# Altium PCB miniBackplane.PcbDoc (part 23 of 24) (continued)
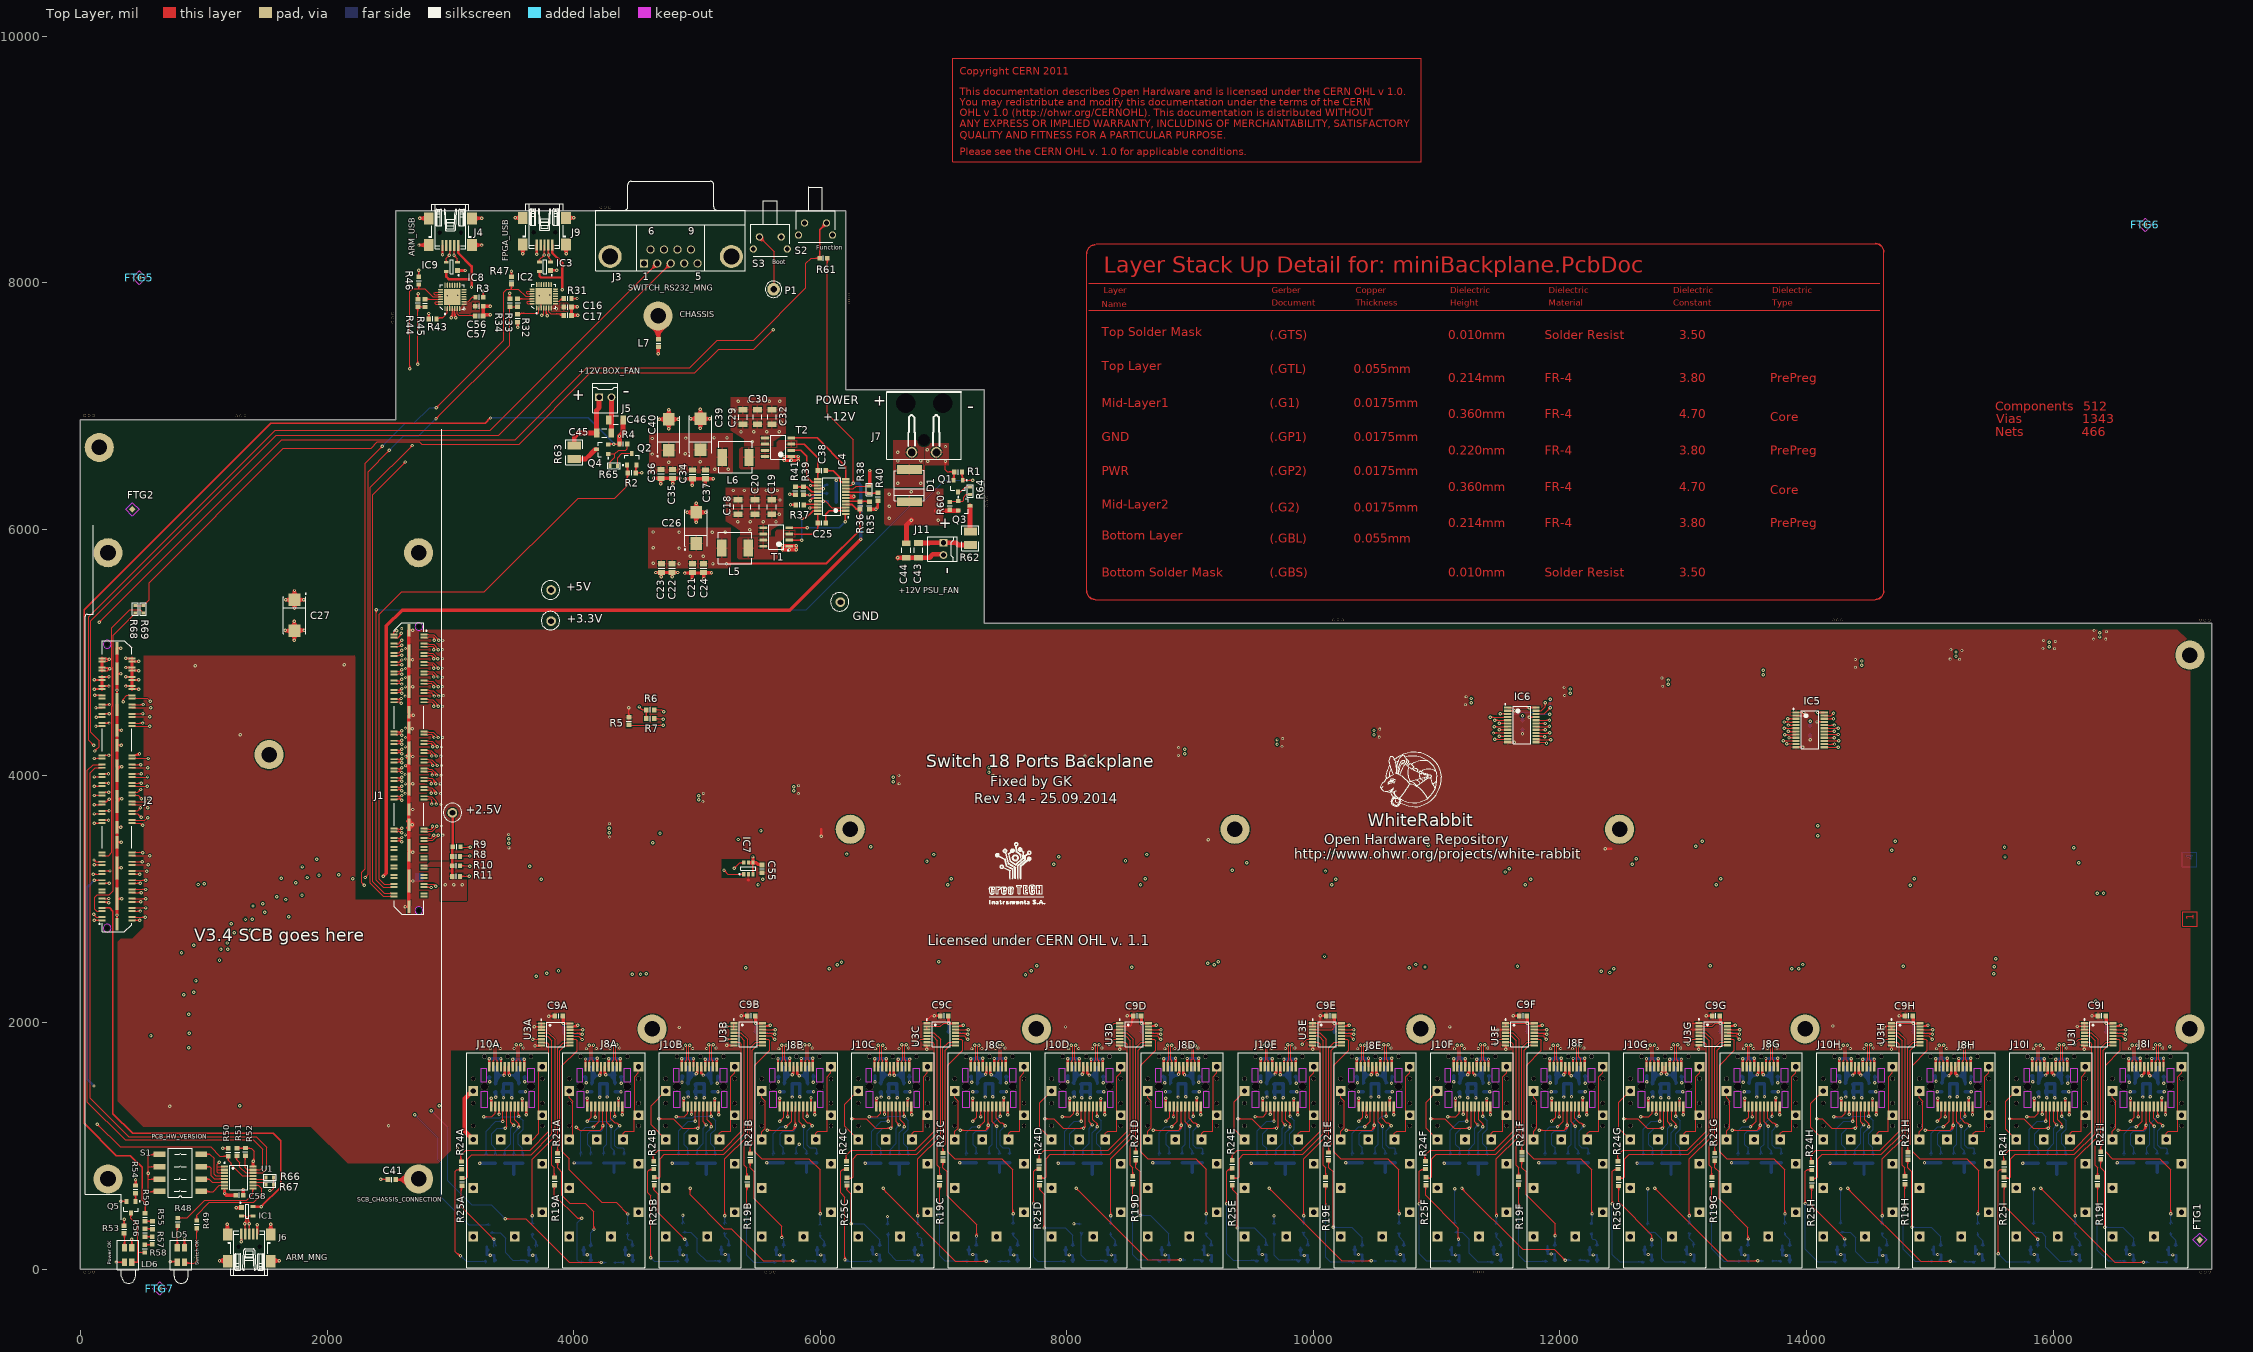
[diagram p0: Top Layer view]
## Nets (pads, with @x,y where several pads share a name; then routed paths per layer and width w, separated by ;. In a path a pad name is that pad's centre, name@x,y a point inside that pad or via, vN(x,y) a via of type N, cw(c..) or ccw(c..) an arc to the next point about the centre after c; other vN are vias at no path point) (continued)
  Top Layer w7.87: U3G.11@13356.83,1865.24 13404.08,1865.24 13415.69,1853.62 13415.69,1773.62 13295.69,1653.62 13295.69,951.61 13351.75,895.56 13733.76,895.56 13822.83,806.48 13822.83,455.93 v1@13830.69,448.07 ; U3G.11@13383.38,1870.61 ccw(c13396.36,1883.6) 13396.36,1865.24 cw(c13396.36,1883.6) U3G.11@13383.38,1870.61 ; v1@13818.73,455.03 ccw(c13808.83,464.93) 13822.83,464.93 cw(c13808.83,464.93) v1@13818.73,455.03 ; 13822.83,478.73 ccw(c13856.35,478.73) 13832.65,455.03 cw(c13856.35,478.73) 13822.83,478.73
  Bottom Layer w7.87: R18G.1@13825.69,359.57 v1(13825.69,448.07) v1@13830.69,453.07 ; 13825.69,424.31 ccw(c13801.93,424.31) 13818.73,441.11 cw(c13801.93,424.31) 13825.69,424.31 ; 13825.69,424.31 cw(c13849.45,424.31) 13832.65,441.11 ccw(c13849.45,424.31) 13825.69,424.31 ; R18G.1@13815.04,371.96 ccw(c13789.31,397.68) 13825.69,397.68 cw(c13789.31,397.68) R18G.1@13815.04,371.96 ; 13825.69,393.27 ccw(c13855.84,393.27) 13834.52,371.96 cw(c13855.84,393.27) 13825.69,393.27
WR_LINK1_LED_LINKH: R18H.1 U3H.11 | length 2374
  Top Layer w7.87: U3H.11@14921.83,1865.24 14969.08,1865.24 14980.69,1853.62 14980.69,1773.62 14860.69,1653.62 14860.69,951.61 14916.75,895.56 15298.76,895.56 15395.69,798.62 v1@15395.69,448.82 ; 14953.4,1865.24 ccw(c14953.4,1853.36) 14945,1861.76 cw(c14953.4,1853.36) 14953.4,1865.24 ; 14953.4,1865.24 cw(c14953.4,1877.12) 14945,1868.72 ccw(c14953.4,1877.12) 14953.4,1865.24 ; v1@15383.73,455.03 ccw(c15354.86,483.9) 15395.69,483.9 cw(c15354.86,483.9) v1@15383.73,455.03 ; v1@15389.3,449.46 ccw(c15373.87,464.89) 15395.69,464.89 cw(c15373.87,464.89) v1@15389.3,449.46
  Bottom Layer w7.87: R18H.1@15390.69,359.57 v1(15390.69,448.07) v1@15395.69,453.07 ; 15390.69,424.31 ccw(c15366.93,424.31) 15383.73,441.11 cw(c15366.93,424.31) 15390.69,424.31 ; 15390.69,424.31 cw(c15414.45,424.31) 15397.65,441.11 ccw(c15414.45,424.31) 15390.69,424.31 ; R18H.1@15380,368.02 ccw(c15354.17,393.84) 15390.69,393.84 cw(c15354.17,393.84) R18H.1@15380,368.02 ; 15390.69,389.24 ccw(c15420.71,389.24) 15399.48,368.02 cw(c15420.71,389.24) 15390.69,389.24
WR_LINK1_LED_LINKI: R18I.1 U3I.11 | length 2351
  Top Layer w7.87: U3I.11@16486.83,1865.24 16534.08,1865.24 16545.69,1853.62 16545.69,1773.62 16425.69,1653.62 16425.69,951.61 16481.75,895.56 16863.76,895.56 16952.76,806.56 16952.76,456.01 v1@16960.69,448.07 ; 16518.4,1865.24 ccw(c16518.4,1853.36) 16510,1861.76 cw(c16518.4,1853.36) 16518.4,1865.24 ; 16518.4,1865.24 cw(c16518.4,1877.12) 16510,1868.72 ccw(c16518.4,1877.12) 16518.4,1865.24 ; v1@16948.73,455.03 ccw(c16939.02,464.74) 16952.76,464.74 cw(c16939.02,464.74) v1@16948.73,455.03 ; 16952.76,478.92 ccw(c16986.54,478.92) 16962.65,455.03 cw(c16986.54,478.92) 16952.76,478.92
  Bottom Layer w7.87: R18I.1@16955.69,359.57 v1(16955.69,448.07) v1@16960.69,453.07 ; 16955.69,424.31 ccw(c16931.93,424.31) 16948.73,441.11 cw(c16931.93,424.31) 16955.69,424.31 ; 16955.69,424.31 cw(c16979.45,424.31) 16962.65,441.11 ccw(c16979.45,424.31) 16955.69,424.31 ; R18I.1@16946.02,371.96 ccw(c16922.67,395.31) 16955.69,395.31 cw(c16922.67,395.31) R18I.1@16946.02,371.96 ; 16955.69,395.65 ccw(c16989.2,395.65) 16965.51,371.96 cw(c16989.2,395.65) 16955.69,395.65
WR_LINK1_LED_SYNCEDA: R19A.1 U3A.10 | length 1325.9
  Top Layer w7.87: R19A.1@3844.67,743.46 3844.67,821.96 3824.67,841.96 3824.67,996.96 3869.67,1041.96 3869.67,1791.96 3914.67,1836.96 U3A.10@3959.67,1836.96 ; R19A.1@3834.76,752.18 ccw(c3810.84,776.11) 3844.67,776.11 cw(c3810.84,776.11) R19A.1@3834.76,752.18 ; 3844.67,775.31 ccw(c3877.37,775.31) 3854.25,752.18 cw(c3877.37,775.31) 3844.67,775.31 ; 3936.77,1836.96 ccw(c3936.77,1852.34) 3947.65,1841.46 cw(c3936.77,1852.34) 3936.77,1836.96 ; 3941.72,1836.96 cw(c3941.72,1828.57) 3947.65,1834.5 ccw(c3941.72,1828.57) 3941.72,1836.96
WR_LINK1_LED_SYNCEDB: R19B.1 U3B.10 | length 1357.8
  Top Layer w7.87: R19B.1@5406.13,745.11 5406.13,823.61 5386.13,843.61 5386.13,998.61 5431.13,1043.61 5431.13,1793.61 5476.13,1838.61 U3B.10@5521.13,1838.61 ; R19B.1@5398.15,749.9 ccw(c5378.88,769.17) 5406.13,769.17 cw(c5378.88,769.17) R19B.1@5398.15,749.9 ; 5406.13,758.67 ccw(c5426.4,758.67) 5412.07,744.33 cw(c5426.4,758.67) 5406.13,758.67 ; 5406.13,777.68 ccw(c5445.41,777.68) 5417.63,749.9 cw(c5445.41,777.68) 5406.13,777.68 ; 5498.23,1838.61 ccw(c5498.23,1853.99) 5509.1,1843.12 cw(c5498.23,1853.99) 5498.23,1838.61 ; 5503.17,1838.61 cw(c5503.17,1830.23) 5509.1,1836.16 ccw(c5503.17,1830.23) 5503.17,1838.61
WR_LINK1_LED_SYNCEDC: R19C.1 U3C.10 | length 1325.9
  Top Layer w7.87: R19C.1@6971.13,745.12 6971.13,823.62 6951.13,843.62 6951.13,998.62 6996.13,1043.62 6996.13,1793.62 7041.13,1838.62 U3C.10@7086.13,1838.62 ; R19C.1@6961.14,753.85 ccw(c6937.03,777.96) 6971.13,777.96 cw(c6937.03,777.96) R19C.1@6961.14,753.85 ; 6971.13,776.78 ccw(c7003.56,776.78) 6980.63,753.85 cw(c7003.56,776.78) 6971.13,776.78 ; 7063.23,1838.62 ccw(c7063.23,1854) 7074.1,1843.13 cw(c7063.23,1854) 7063.23,1838.62 ; 7068.17,1838.62 cw(c7068.17,1830.24) 7074.1,1836.17 ccw(c7068.17,1830.24) 7068.17,1838.62
WR_LINK1_LED_SYNCEDD: R19D.1 U3D.10 | length 1325.9
  Top Layer w7.87: R19D.1@8536.13,745.12 8536.13,823.62 8516.13,843.62 8516.13,998.62 8561.13,1043.62 8561.13,1793.62 8606.13,1838.62 U3D.10@8651.13,1838.62 ; R19D.1@8526.1,761.72 ccw(c8501.89,785.93) 8536.13,785.93 cw(c8501.89,785.93) R19D.1@8526.1,761.72 ; 8536.13,784.56 ccw(c8568.42,784.56) 8545.59,761.72 cw(c8568.42,784.56) 8536.13,784.56 ; 8628.23,1838.62 ccw(c8628.23,1854) 8639.1,1843.13 cw(c8628.23,1854) 8628.23,1838.62 ; 8633.17,1838.62 cw(c8633.17,1830.24) 8639.1,1836.17 ccw(c8633.17,1830.24) 8633.17,1838.62
WR_LINK1_LED_SYNCEDE: R19E.1 U3E.10 | length 1325.9
  Top Layer w7.87: R19E.1@10101.13,745.12 10101.13,823.62 10081.13,843.62 10081.13,998.62 10126.13,1043.62 10126.13,1793.62 10171.13,1838.62 U3E.10@10216.13,1838.62 ; R19E.1@10091.06,753.85 ccw(c10066.76,778.15) 10101.13,778.15 cw(c10066.76,778.15) R19E.1@10091.06,753.85 ; 10101.13,776.59 ccw(c10133.29,776.59) 10110.55,753.85 cw(c10133.29,776.59) 10101.13,776.59 ; 10193.23,1838.62 ccw(c10193.23,1854) 10204.1,1843.13 cw(c10193.23,1854) 10193.23,1838.62 ; 10198.17,1838.62 cw(c10198.17,1830.24) 10204.1,1836.17 ccw(c10198.17,1830.24) 10198.17,1838.62
WR_LINK1_LED_SYNCEDF: R19F.1 U3F.10 | length 1325.9
  Top Layer w7.87: R19F.1@11665.69,745.12 11665.69,823.62 11645.69,843.62 11645.69,998.62 11690.69,1043.62 11690.69,1793.62 11735.69,1838.62 U3F.10@11780.69,1838.62 ; R19F.1@11655.59,757.78 ccw(c11631.19,782.18) 11665.69,782.18 cw(c11631.19,782.18) R19F.1@11655.59,757.78 ; 11665.69,780.43 ccw(c11697.72,780.43) 11675.07,757.78 cw(c11697.72,780.43) 11665.69,780.43 ; 11757.8,1838.62 ccw(c11757.8,1854) 11768.67,1843.13 cw(c11757.8,1854) 11757.8,1838.62 ; 11762.74,1838.62 cw(c11762.74,1830.24) 11768.67,1836.17 ccw(c11762.74,1830.24) 11762.74,1838.62
WR_LINK1_LED_SYNCEDG: R19G.1 U3G.10 | length 1330.6
  Top Layer w7.87: R19G.1@13230.69,745.12 13230.69,823.62 13210.69,843.62 13210.69,998.62 13255.69,1043.62 13255.69,1793.62 13300.69,1838.62 U3G.10@13345.69,1838.62 ; 13329.63,1840.74 cw(c13332.09,1836.48) U3G.10@13336.31,1839.01 ; R19G.1@13220.55,753.85 ccw(c13196.06,778.34) 13230.69,778.34 cw(c13196.06,778.34) R19G.1@13220.55,753.85 ; 13230.69,776.4 ccw(c13262.59,776.4) 13240.03,753.85 cw(c13262.59,776.4) 13230.69,776.4 ; 13321.59,1838.62 ccw(c13321.59,1860.48) 13337.05,1845.02 cw(c13321.59,1860.48) 13321.59,1838.62
WR_LINK1_LED_SYNCEDH: R19H.1 U3H.10 | length 1356.5
  Top Layer w7.87: R19H.1@14795.69,745.12 14795.69,823.62 14775.69,843.62 14775.69,998.62 14820.69,1043.62 14820.69,1793.62 14865.69,1838.62 U3H.10@14910.69,1838.62 ; R19H.1@14787.48,761.72 ccw(c14767.64,781.56) 14795.69,781.56 cw(c14767.64,781.56) R19H.1@14787.48,761.72 ; 14795.69,769.92 ccw(c14815.17,769.92) 14801.4,756.15 cw(c14815.17,769.92) 14795.69,769.92 ; 14795.69,788.93 ccw(c14834.17,788.93) 14806.96,761.72 cw(c14834.17,788.93) 14795.69,788.93 ; 14887.8,1838.62 ccw(c14887.8,1854) 14898.67,1843.13 cw(c14887.8,1854) 14887.8,1838.62 ; 14892.74,1838.62 cw(c14892.74,1830.24) 14898.67,1836.17 ccw(c14892.74,1830.24) 14892.74,1838.62
WR_LINK1_LED_SYNCEDI: R19I.1 U3I.10 | length 1325.9
  Top Layer w7.87: R19I.1@16360.69,745.12 16360.69,823.62 16340.69,843.62 16340.69,998.62 16385.69,1043.62 16385.69,1793.62 16430.69,1838.62 U3I.10@16475.69,1838.62 ; R19I.1@16351.53,753.85 ccw(c16329.42,775.96) 16360.69,775.96 cw(c16329.42,775.96) R19I.1@16351.53,753.85 ; 16360.69,778.78 ccw(c16395.95,778.78) 16371.02,753.85 cw(c16395.95,778.78) 16360.69,778.78 ; 16452.8,1838.62 ccw(c16452.8,1854) 16463.67,1843.13 cw(c16452.8,1854) 16452.8,1838.62 ; 16457.74,1838.62 cw(c16457.74,1830.24) 16463.67,1836.17 ccw(c16457.74,1830.24) 16457.74,1838.62
WR_LINK1_LED_WRMODEA: R21A.1 U3A.9 | length 1065.2
  Top Layer w7.87: R21A.1@3869.67,948.46 3869.67,991.96 3889.67,1011.96 3889.67,1771.96 3929.67,1811.96 U3A.9@3964.67,1811.96 ; R21A.1@3860.35,949.03 ccw(c3837.85,971.53) 3869.67,971.53 cw(c3837.85,971.53) R21A.1@3860.35,949.03 ; 3869.67,973.58 ccw(c3904.39,973.58) 3879.84,949.03 cw(c3904.39,973.58) 3869.67,973.58 ; 3938.2,1811.96 ccw(c3938.2,1825.32) 3947.65,1815.87 cw(c3938.2,1825.32) 3938.2,1811.96 ; 3940.29,1811.96 cw(c3940.29,1801.56) 3947.65,1808.91 ccw(c3940.29,1801.56) 3940.29,1811.96
WR_LINK1_LED_WRMODEB: R21B.1 U3B.9 | length 1065.2
  Top Layer w7.87: R21B.1@5431.13,950.11 5431.13,993.61 5451.13,1013.61 5451.13,1773.61 5491.13,1813.61 U3B.9@5526.13,1813.61 ; R21B.1@5421.77,946.75 ccw(c5399.18,969.34) 5431.13,969.34 cw(c5399.18,969.34) R21B.1@5421.77,946.75 ; 5431.13,971.21 ccw(c5465.71,971.21) 5441.26,946.75 cw(c5465.71,971.21) 5431.13,971.21 ; 5499.66,1813.61 ccw(c5499.66,1826.97) 5509.1,1817.53 cw(c5499.66,1826.97) 5499.66,1813.61 ; 5501.75,1813.61 cw(c5501.75,1803.21) 5509.1,1810.57 ccw(c5501.75,1803.21) 5501.75,1813.61
WR_LINK1_LED_WRMODEC: R21C.1 U3C.9 | length 1065.2
  Top Layer w7.87: R21C.1@6996.13,950.12 6996.13,993.62 7016.13,1013.62 7016.13,1773.62 7056.13,1813.62 U3C.9@7091.13,1813.62 ; R21C.1@6986.73,950.7 ccw(c6964.04,973.38) 6996.13,973.38 cw(c6964.04,973.38) R21C.1@6986.73,950.7 ; 6996.13,975.06 ccw(c7030.58,975.06) 7006.22,950.7 cw(c7030.58,975.06) 6996.13,975.06 ; 7064.66,1813.62 ccw(c7064.66,1826.98) 7074.1,1817.53 cw(c7064.66,1826.98) 7064.66,1813.62 ; 7066.75,1813.62 cw(c7066.75,1803.22) 7074.1,1810.58 ccw(c7066.75,1803.22) 7066.75,1813.62
WR_LINK1_LED_WRMODED: R21D.1 U3D.9 | length 1065.2
  Top Layer w7.87: R21D.1@8561.13,950.12 8561.13,993.62 8581.13,1013.62 8581.13,1773.62 8621.13,1813.62 U3D.9@8656.13,1813.62 ; R21D.1@8551.69,954.63 ccw(c8528.91,977.42) 8561.13,977.42 cw(c8528.91,977.42) R21D.1@8551.69,954.63 ; 8561.13,978.9 ccw(c8595.44,978.9) 8571.18,954.63 cw(c8595.44,978.9) 8561.13,978.9 ; 8629.66,1813.62 ccw(c8629.66,1826.98) 8639.1,1817.53 cw(c8629.66,1826.98) 8629.66,1813.62 ; 8631.75,1813.62 cw(c8631.75,1803.22) 8639.1,1810.58 ccw(c8631.75,1803.22) 8631.75,1813.62
WR_LINK1_LED_WRMODEE: R21E.1 U3E.9 | length 1096.7
  Top Layer w7.87: R21E.1@10126.13,950.12 10126.13,993.62 10146.13,1013.62 10146.13,1773.62 10186.13,1813.62 U3E.9@10221.13,1813.62 ; R21E.1@10114.68,954.63 ccw(c10087.05,982.26) 10126.13,982.26 cw(c10087.05,982.26) R21E.1@10114.68,954.63 ; R21E.1@10120.25,949.07 ccw(c10106.06,963.25) 10126.13,963.25 cw(c10106.06,963.25) R21E.1@10120.25,949.07 ; 10126.13,974.05 ccw(c10153.59,974.05) 10134.17,954.63 cw(c10153.59,974.05) 10126.13,974.05 ; 10194.66,1813.62 ccw(c10194.66,1826.98) 10204.1,1817.53 cw(c10194.66,1826.98) 10194.66,1813.62 ; 10196.75,1813.62 cw(c10196.75,1803.22) 10204.1,1810.58 ccw(c10196.75,1803.22) 10196.75,1813.62
WR_LINK1_LED_WRMODEF: R21F.1 U3F.9 | length 1065.2
  Top Layer w7.87: R21F.1@11690.69,950.12 11690.69,993.62 11710.69,1013.62 11710.69,1773.62 11750.69,1813.62 U3F.9@11785.69,1813.62 ; R21F.1@11681.18,958.57 ccw(c11658.21,981.54) 11690.69,981.54 cw(c11658.21,981.54) R21F.1@11681.18,958.57 ; 11690.69,982.64 ccw(c11724.74,982.64) 11700.66,958.57 cw(c11724.74,982.64) 11690.69,982.64 ; 11759.22,1813.62 ccw(c11759.22,1826.98) 11768.67,1817.53 cw(c11759.22,1826.98) 11759.22,1813.62 ; 11761.31,1813.62 cw(c11761.31,1803.22) 11768.67,1810.58 ccw(c11761.31,1803.22) 11761.31,1813.62
WR_LINK1_LED_WRMODEG: R21G.1 U3G.9 | length 1059
  Top Layer w7.87: R21G.1@13255.69,950.12 13255.69,993.62 13275.69,1013.62 13275.69,1773.62 13315.69,1813.62 U3G.9@13350.69,1813.62 ; R21G.1@13246.14,950.7 ccw(c13223.07,973.76) 13255.69,973.76 cw(c13223.07,973.76) R21G.1@13246.14,950.7 ; 13255.69,974.68 ccw(c13289.6,974.68) 13265.63,950.7 cw(c13289.6,974.68) 13255.69,974.68 ; 13323.02,1813.62 ccw(c13323.02,1833.46) 13337.05,1819.43 cw(c13323.02,1833.46) 13323.02,1813.62
WR_LINK1_LED_WRMODEH: R21H.1 U3H.9 | length 1065.2
  Top Layer w7.87: R21H.1@14820.69,950.12 14820.69,993.62 14840.69,1013.62 14840.69,1773.62 14880.69,1813.62 U3H.9@14915.69,1813.62 ; R21H.1@14811.1,958.57 ccw(c14787.94,981.73) 14820.69,981.73 cw(c14787.94,981.73) R21H.1@14811.1,958.57 ; 14820.69,982.45 ccw(c14854.47,982.45) 14830.59,958.57 cw(c14854.47,982.45) 14820.69,982.45 ; 14889.22,1813.62 ccw(c14889.22,1826.98) 14898.67,1817.53 cw(c14889.22,1826.98) 14889.22,1813.62 ; 14891.31,1813.62 cw(c14891.31,1803.22) 14898.67,1810.58 ccw(c14891.31,1803.22) 14891.31,1813.62
WR_LINK1_LED_WRMODEI: R21I.1 U3I.9 | length 1065.2
  Top Layer w7.87: R21I.1@16385.69,950.12 16385.69,993.62 16405.69,1013.62 16405.69,1773.62 16445.69,1813.62 U3I.9@16480.69,1813.62 ; R21I.1@16375.15,962.51 ccw(c16349.71,987.95) 16385.69,987.95 cw(c16349.71,987.95) R21I.1@16375.15,962.51 ; 16385.69,984.11 ccw(c16416.24,984.11) 16394.64,962.51 cw(c16416.24,984.11) 16385.69,984.11 ; 16454.22,1813.62 ccw(c16454.22,1826.98) 16463.67,1817.53 cw(c16454.22,1826.98) 16454.22,1813.62 ; 16456.31,1813.62 cw(c16456.31,1803.22) 16463.67,1810.58 ccw(c16456.31,1803.22) 16456.31,1813.62
pads on no net: FTG1.1 FTG2.1 FTG3.1 FTG4.1 FTG5.1 FTG6.1 FTG7.1 FTG8.1 FTG9.1 FTG10.1 IC2.1 IC2.10 IC2.11 IC2.12 IC2.13 IC2.14 IC2.15 IC2.16 IC2.17 IC2.18 IC2.19 IC2.20 IC2.21 IC2.22 IC8.1 IC8.10 IC8.11 IC8.12 IC8.13 IC8.14 IC8.15 IC8.16 IC8.17 IC8.18 IC8.19 IC8.20 IC8.21 IC8.22 J1.82 J1.83 J1.84 J1.85 J1.86 J1.87 J1.88 J1.93 J1.95 J1.109 J1.110 J2.109 J2.110 J3.9 J4.4 J4.MTG1 J4.MTG2 J6.4 J6.MTG1 J6.MTG2 J7.3 J7.4 J7.5 J8A. J8B. J8C. J8D. J8E. J8F. J8G. J8H. J8I. J9.4 J9.MTG1 J9.MTG2 J10A. J10B. J10C. J10D. J10E. J10F. J10G. J10H. J10I.
copper on no net: | length 42813
  Top Layer w7.09: 7074.97,8979.34 10874.97,8979.34 ; 8161.67,5501.39 8161.67,8233 ; 8180.24,7776.05 14596.18,7776.05 ; 8180.24,7997.7 14596.18,7997.7 ; 8232.54,5430.52 14557.34,5430.52 ; 8240,8315 14564.8,8315 ; 14628.2,5501.39 14628.2,8250
  Top Layer w10: 7074.97,8979.34 7074.97,9819.34 10874.97,9819.34 10874.97,8979.34 ; 17051.17,2778.6 17169.28,2778.6 17169.28,2896.71 17051.17,2896.71 17051.17,2778.6
  Top Layer w11.81: 8161.67,5501.39 ccw(c8232.54,5501.39) 8232.54,5430.52 ; 8161.67,8236.22 cw(c8232.54,8236.22) 8232.54,8307.09 ; 14557.34,5430.52 ccw(c14557.34,5501.39) 14628.2,5501.39 ; 14557.34,8318.38 cw(c14557.34,8247.51) 14628.2,8247.51
  Mid-Layer 1 w10: 17054.17,2943.6 17172.28,2943.6 17172.28,3061.71 17054.17,3061.71 17054.17,2943.6
  Mid-Layer 2 w10: 17050.17,3106.6 17168.28,3106.6 17168.28,3224.71 17050.17,3224.71 17050.17,3106.6
  Bottom Layer w10: 17048.17,3263.93 17166.28,3263.93 ; 17048.17,3263.93 17048.17,3382.04 17166.28,3382.04 17166.28,3263.93 ; 17048.17,3263.93 17166.28,3263.93 ; 17048.17,3263.93 17166.28,3263.93

## Polygon pours and split planes (outlines as drawn)
+2V5 on Top Layer "Top Layer-No Net" (solid, pour order 40): 2744.09,3303.15 2744.09,3262.25 2918.34,3262.25 2922.21,3258.16 2922.21,2988.19 3132.87,2988.19 3132.87,3157.48 3030.51,3157.48 3030.63,3303.15
NetC16_2 on Top Layer "Top Layer-No Net" (solid, remove dead copper, pour order 33): 3955.89,7766.89 3955.89,7835.62 3951.61,7837.65 3814.5,7837.65 3810.22,7833.6 3810.22,7765.92 3813.49,7762.84 3947.32,7762.84
+12VCC_IN on Top Layer "Top Layer-No Net" (solid, pour order 47): 5719.02,6901.55 5274.97,6901.55 5274.97,6800.36 5385.2,6729.5 5385.2,6674.38 5621.43,6674.38 5621.43,6713.75 5635.76,6724.42 5712.08,6777.08 5719.02,6777.08
GND on Top Layer "Top Layer-No Net" (solid, pour order 42): 6850,6696.46 7041.36,6696.46 7041.36,6521.46 6850,6521.46
+12VCC_IN on Top Layer "Top Layer-No Net" (solid, pour order 57): 6519.41,6330.99 6999.2,6330.99 6999.2,6034.69 6530.07,6034.69 6519.41,6044.1
NetD1_2 on Top Layer "Top Layer-No Net" (solid, pour order 56): 6850,6724.22 6850,6343.47 6596.99,6343.47 6591.72,6349.33 6591.72,6724.22
NetC25_1 on Top Layer "Top Layer-No Net" (solid, pour order 49): 5799.2,5936.6 5799.2,5997.87 5649.2,5997.87 5634.2,5982.22 5634.2,5940.48 5344.2,5940.48 5334.2,5930.05 5329.2,5924.83 5329.2,5768.31 5339.2,5757.87 5654.2,5757.87 5654.2,5877.87 5714.2,5936.6
+12VCC_IN on Top Layer "Top Layer-No Net" (solid, pour order 46): 5699.2,6172.87 5235.94,6172.87 5235.94,6065.21 5293.85,6027.77 5351.76,5990.32 5351.76,5962.24 5351.76,5952.87 5561.67,5952.87 5597.86,5952.87 5597.86,5990.32 5612.34,5999.68 5691.96,6051.17 5699.2,6051.17
+5V on Top Layer "Top Layer-No Net" (solid, pour order 53): 5269.76,5686.1 5275.34,5691.1 5275.34,6011.1 4606.02,6011.1 4606.02,5686.1
GND on Top Layer "Top Layer-No Net" (solid, pour order 44): 5699.2,6182.87 5699.2,6337.87 5235.94,6337.87 5235.94,6182.87
+3V3 on Top Layer "Top Layer-No Net" (solid, pour order 54): 5283.57,6452.87 5289.2,6457.87 5289.2,6777.87 4613.9,6777.87 4613.9,6452.87
NetC38_1 on Top Layer "Top Layer-No Net" (solid, pour order 50): 5814.2,6662.87 5814.2,6722.87 5664.2,6722.87 5649.2,6707.55 5649.2,6666.68 5359.2,6666.68 5349.2,6656.46 5344.2,6651.35 5344.2,6498.09 5354.2,6487.87 5669.2,6487.87 5669.2,6605.37 5729.2,6662.87
GND on Top Layer "Top Layer-No Net" (solid, pour order 45): 5720.2,6912.5 5720.2,7070.64 5275.31,7070.64 5275.31,6912.5
GND on Top Layer "Top Layer-No Net 1" (solid, remove dead copper, pour order 59): 2649.61,1932.09 2807.81,1775.59 17052.5,1775.59 17112.2,1834.65 17112.2,5084.65 17008.72,5187.01 2669.51,5187.01 2649.61,5167.32
NetC56_2 on Top Layer "Bottom Layer-No Net" (solid, pour order 35): 3063,7840 3065,7838 3065,7756 3074,7747 3161,7747 3174,7760 3239,7760 3239,7846 3233,7852 3179,7852 3167,7840
GND on Top Layer "Bottom Layer-No Net" (solid, remove dead copper, pour order 32): 514,4976 514,2774 419,2679 329,2679 303,2653 303,1361 509,1155 1870,1155 2167,858 2901,858 3004,961 3004,1776.64 3030,1802.64 3030,2477 2652,2994.09 2230,2994.09 2230,4966 2219,4977
GND on Bottom Layer "Top Layer-No Net" (solid, pour order 58): 7041.13,6696.29 6849.9,6696.29 6849.9,6521.29 7041.13,6521.29
NetD1_2 on Bottom Layer "Top Layer-No Net" (solid, remove dead copper, pour order 55): 6590.28,6720.76 6590.28,6343.91 6837.1,6343.91 6842.24,6349.7 6842.24,6720.76
+5V on Bottom Layer "Top Layer-No Net" (solid, pour order 51): 4680.34,5686.1 4675.34,5691.1 4675.34,6011.1 5275.34,6011.1 5275.34,5686.1
+3V3 on Bottom Layer "Top Layer-No Net" (solid, pour order 52): 4607.81,6452.87 4602.09,6457.87 4602.09,6777.87 5289.2,6777.87 5289.2,6452.87
+5V on Bottom Layer "Top Layer-No Net" (solid, pour order 37): 5288,6053.83 5289,5396 2303,5396 2303,5292 1189,5292 609.26,4668 92.48,4668 75.51,4710.7 75,5106 1022,6055
GND on Bottom Layer "Top Layer-No Net 1" (solid, remove dead copper, pour order 60): 2525.59,5223.43 2525.59,3306.1 2639.76,3191.93 2870.08,3191.93 3264,3191 3262,1670 16925.2,1669.29 16938.98,1683.07 16976.38,1683.07 17110.24,1816.93 17110.24,5117.13 17011.81,5215.55
+2V5 on Bottom Layer "Top Layer-No Net" (solid, pour order 38): 17110.27,799 17111,713 3023.62,712.6 3023.62,2901.57 2930.89,2994.31 2930.89,3161.42 2925.2,3167.11 2925.2,3173.23 2929.13,3177.17 3110.24,3177.17 3125.98,3161.42 3125.98,854.33 3261.48,788.02
GND on Bottom Layer "Bottom Layer-No Net" (solid, remove dead copper, pour order 34): 2551,4969 2551,3378 2784,3145 2784,3073 2971,2886 2961,2876 2961,1566 2598,1333 2598,59 227,56 228,1135 228,4522 322,4616 670,4616 670,4701 939,4970
CHASSIS1 on Bottom Layer "Bottom Layer-No Net" (solid, remove dead copper, pour order 41): 2598,8563 2598,7073 2650,7021 2675,7021 6131,7021 6173,7063 6173,8498 6108,8563
GND on Mid-Layer 1 "Bottom Layer-No Net" (solid, remove dead copper, pour order 39): 361,6750 361,5263 590,5034 1951,5034 2221,5304 3737,5304 3955,5522 3955,7139 4121,7305 5642,7305 5910,7573 5910,8367 5812,8465 2926,8465 2766,8305 2766,6887 2629,6750
CHASSIS on Mid-Layer 1 "Bottom Layer-No Net" (solid, remove dead copper, pour order 48): 42,1116 42.01,788.86 42.01,40.12 17111,40 17111,1117.41
+12VCC_IN on Mid-Layer 1 "Bottom Layer-No Net" (solid, remove dead copper, pour order 31): 4109,7150 4109,6751 4301,6559 4574,6559 4596,6537 4596,5991 4869,5718 6112,5718 6242,5848 6372,5848 6506,5982 6985,5982 7070,6067 7070,6358 7003,6425 6538,6425 6426,6537 5813,7150 5790,7150
GND on Mid-Layer 1 "Bottom Layer-No Net" (solid, pour order 43): 2411,5423 2412,3306 2835,3306 2831,3310.33 2831,5423
GND on Mid-Layer 2 "Bottom Layer-No Net" (solid, remove dead copper, pour order 36): 384,6786 384,5270 434,5220 7141,5220 7230,5309 7230,6874 7205,6899 6425,6899 6312,7012 6111,7012 6092,7031 6086,7037 6086,8062 6067,8081 4382,8081 3904,7603 3741,7603 3716,7578 3055,7578 2873,7396 2873,6421 2861,6409 2408,6409 2288,6529 2288,6786
GND on GND (split plane): 17164.19,2901.81 17056.27,2901.81 17056.27,3009.72 17164.19,3009.72
GND on GND (split plane): 6198.06,7132 6198.33,7129.94 6199.12,7128.03 6200.38,7126.38 6202.03,7125.12 6203.94,7124.33 6206,7124.06 7322.06,7124.06 7322.06,5236.22 7322.33,5234.17 7323.12,5232.25 7324.38,5230.6 7326.03,5229.34 7327.94,5228.55 7330,5228.28 17277.69,5228.28 17277.69,7.94 7.94,7.94 7.94,6881.82 2559.06,6881.82 2561.11,6882.09 2563.03,6882.89 2564.67,6884.15 2565.93,6885.79 2566.73,6887.71 2567,6889.76 2567,8574.74 6198.06,8574.74
+3V3 on PWR (split plane): 17164.19,3019.92 17056.27,3019.92 17056.27,3127.83 17164.19,3127.83
+3V3 on PWR (split plane): 6198.06,7132 6198.33,7129.94 6199.12,7128.03 6200.38,7126.38 6202.03,7125.12 6203.94,7124.33 6206,7124.06 7322.06,7124.06 7322.06,5236.22 7322.33,5234.17 7323.12,5232.25 7324.38,5230.6 7326.03,5229.34 7327.94,5228.55 7330,5228.28 17277.69,5228.28 17277.69,7.94 7.94,7.94 7.94,6881.82 2559.06,6881.82 2561.11,6882.09 2563.03,6882.89 2564.67,6884.15 2565.93,6885.79 2566.73,6887.71 2567,6889.76 2567,8574.74 6198.06,8574.74

## Other copper
Top Layer:
  rectangle net GND: 2638,4069 2657,4096
  rectangle net GND: 2642,4138 2656.68,4177.12
  rectangle net GND: 6244.72,6259.43 6253.8,6273.91
  pour cut-out: 5391,3322 5392,3321 5392,3176 5388,3172 5201,3172 5201,3322
  text "Copyright CERN 2011" at 7132.97,9686.34 h59.06
  text "This documentation describes Open Hardware and is licensed under the CERN OHL v 1.0." at 7132.97,9521.34 h59.06
  text "You may redistribute and modify this documentation under the terms of the CERN" at 7132.97,9436.85 h59.06
  text "OHL v 1.0 (http://ohwr.org/CERNOHL). This documentation is distributed WITHOUT" at 7132.97,9352.37 h59.06
  text "ANY EXPRESS OR IMPLIED WARRANTY, INCLUDING OF MERCHANTABILITY, SATISFACTORY" at 7132.97,9259.45 h59.06
  text "QUALITY AND FITNESS FOR A PARTICULAR PURPOSE." at 7132.97,9169.34 h59.06
  text "Please see the CERN OHL v. 1.0 for applicable conditions." at 7132.97,9035.34 h59.06
  text "Layer Stack Up Detail for: miniBackplane.PcbDoc" at 8298.33,8082.3 h129.92
  text "Layer" at 8298.33,7915.03 h51.18
  text "Gerber" at 9661.23,7915.03 h51.18
  text "Copper" at 10343.51,7915.03 h51.18
  text "Dielectric" at 11109.36,7915.03 h51.18
  text "Dielectric" at 11911.02,7915.03 h51.18
  text "Dielectric" at 12919.7,7915.03 h51.18
  text "Dielectric" at 13721.36,7915.03 h51.18
  text "Document" at 9661.23,7812.67 h51.18
  text "Thickness" at 10343.51,7812.67 h51.18
  text "Height" at 11109.36,7812.67 h51.18
  text "Material" at 11911.02,7812.67 h51.18
  text "Constant" at 12919.7,7812.67 h51.18
  text "Type" at 13721.36,7812.67 h51.18
  text "Name" at 8283,7803 h51.18
  text "Top Solder Mask" at 8282.33,7564.97 h70.87
  text "(.GTS)" at 9645.23,7541.36 h70.87
  text "0.010mm" at 11093.36,7541.36 h70.87
  text "Solder Resist" at 11879.02,7541.36 h70.87
  text "3.50" at 12967.7,7541.36 h70.87
  text "Top Layer" at 8282.33,7289.73 h70.87
  text "(.GTL)" at 9645.23,7266.12 h70.87
  text "0.055mm" at 10327.51,7266.12 h70.87
  text "0.214mm" at 11093.36,7193.6 h70.87
  text "FR-4" at 11879.02,7193.6 h70.87
  text "3.80" at 12967.7,7193.6 h70.87
  text "PrePreg" at 13705.36,7193.6 h70.87
  text "Mid-Layer1" at 8282.33,6990.87 h70.87
  text "(.G1)" at 9645.23,6990.87 h70.87
  text "0.0175mm" at 10327.51,6990.87 h70.87
  text "Components" at 15529.38,6963.22 h75
  text "512" at 16244.52,6962.23 h75
  text "0.360mm" at 11093.36,6898.97 h70.87
  text "FR-4" at 11879.02,6898.97 h70.87
  text "4.70" at 12967.7,6898.97 h70.87
  text "Core" at 13705.36,6875.35 h70.87
  text "Vias" at 15538.04,6861.02 h75
  text "1343" at 16238.04,6860.99 h75
  text "Nets" at 15531.55,6756.61 h75
  text "466" at 16231.55,6756.61 h75
  text "GND" at 8282.33,6715.63 h70.87
  text "(.GP1)" at 9645.23,6715.63 h70.87
  text "0.0175mm" at 10327.51,6715.63 h70.87
  text "0.220mm" at 11093.36,6604.33 h70.87
  text "FR-4" at 11879.02,6604.33 h70.87
  text "3.80" at 12967.7,6604.33 h70.87
  text "PrePreg" at 13705.36,6604.33 h70.87
  text "PWR" at 8282.33,6440.39 h70.87
  text "(.GP2)" at 9645.23,6440.39 h70.87
  text "0.0175mm" at 10327.51,6440.39 h70.87
  text "0.360mm" at 11093.36,6309.7 h70.87
  text "FR-4" at 11879.02,6309.7 h70.87
  text "4.70" at 12967.7,6309.7 h70.87
  text "Core" at 13705.36,6286.08 h70.87
  text "Mid-Layer2" at 8282.33,6165.14 h70.87
  text "(.G2)" at 9645.23,6141.53 h70.87
  text "0.0175mm" at 10327.51,6141.53 h70.87
  text "0.214mm" at 11093.36,6015.06 h70.87
  text "FR-4" at 11879.02,6015.06 h70.87
  text "3.80" at 12967.7,6015.06 h70.87
  text "PrePreg" at 13705.36,6015.06 h70.87
  text "Bottom Layer" at 8282.33,5913.51 h70.87
  text "(.GBL)" at 9645.23,5889.9 h70.87
  text "0.055mm" at 10327.51,5889.9 h70.87
  text "Bottom Solder Mask" at 8282.33,5614.66 h70.87
  text "(.GBS)" at 9645.23,5614.66 h70.87
  text "0.010mm" at 11093.36,5614.66 h70.87
  text "Solder Resist" at 11879.02,5614.66 h70.87
  text "3.50" at 12967.7,5614.66 h70.87
  text "1" at 17141.72,2829.78 h60 r90
Mid-Layer 1:
  text "2" at 17144,2985 h60 r90
Mid-Layer 2:
  text "3" at 17140.72,3157.78 h60 r90
Bottom Layer:
  rectangle net GND: 2712,3145 2784,3212
  rectangle net NetC10B_2: 4953.17,1574.8 4997,1595
  rectangle net NetC3C_2: 7307.3,1568.62 7342,1592
  text "4" at 17138.72,3315.11 h60 r90
GND (plane layer: these items are gaps in the copper):
  lines w10: 17051.17,2896.71 17169.28,2896.71 ; 17051.17,2896.71 17051.17,3014.82 17169.28,3014.82 17169.28,2896.71 ; 17051.17,2896.71 17169.28,2896.71
  text "2" at 17141.72,2947.89 h60 r90
PWR (plane layer: these items are gaps in the copper):
  lines w10: 17051.17,3014.82 17169.28,3014.82 ; 17051.17,3014.82 17051.17,3132.93 17169.28,3132.93 17169.28,3014.82 ; 17051.17,3014.82 17169.28,3014.82 ; 17051.17,3014.82 17169.28,3014.82
  text "3" at 17141.72,3066 h60 r90
Multi-Layer:
  lines w15.75: 17874.02,0 17874.02,8584 17934.72,8584 17934.72,0 17874.02,0